# KiCad board mist.kicad_pcb
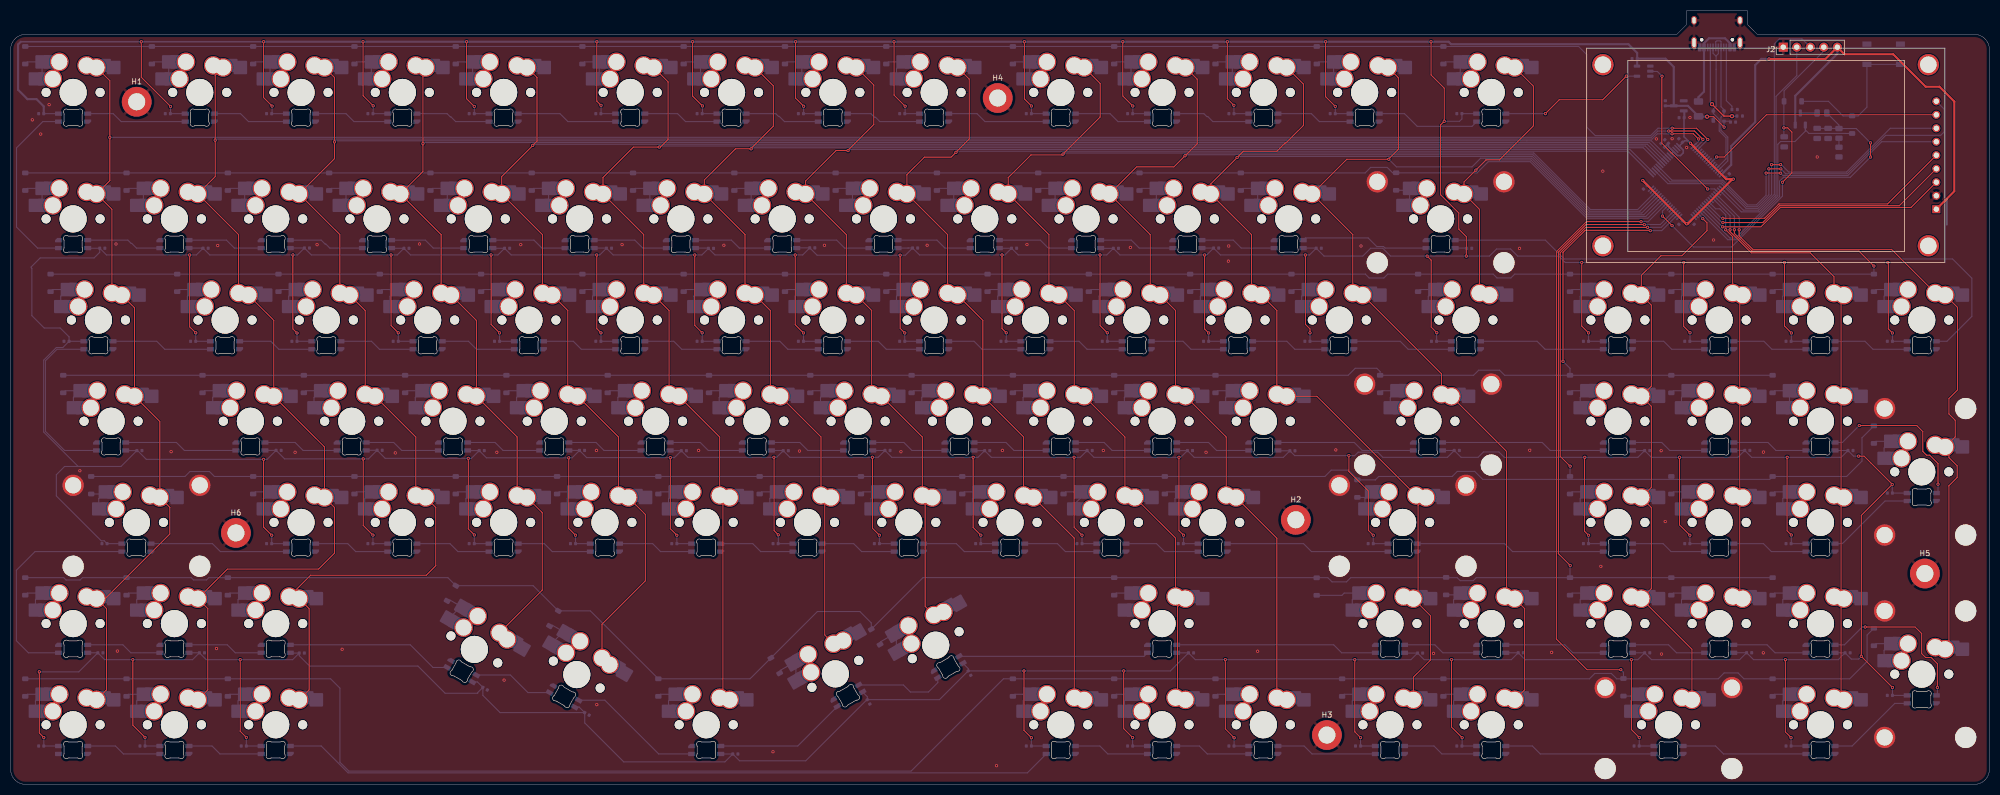
[diagram p0: board, top side]
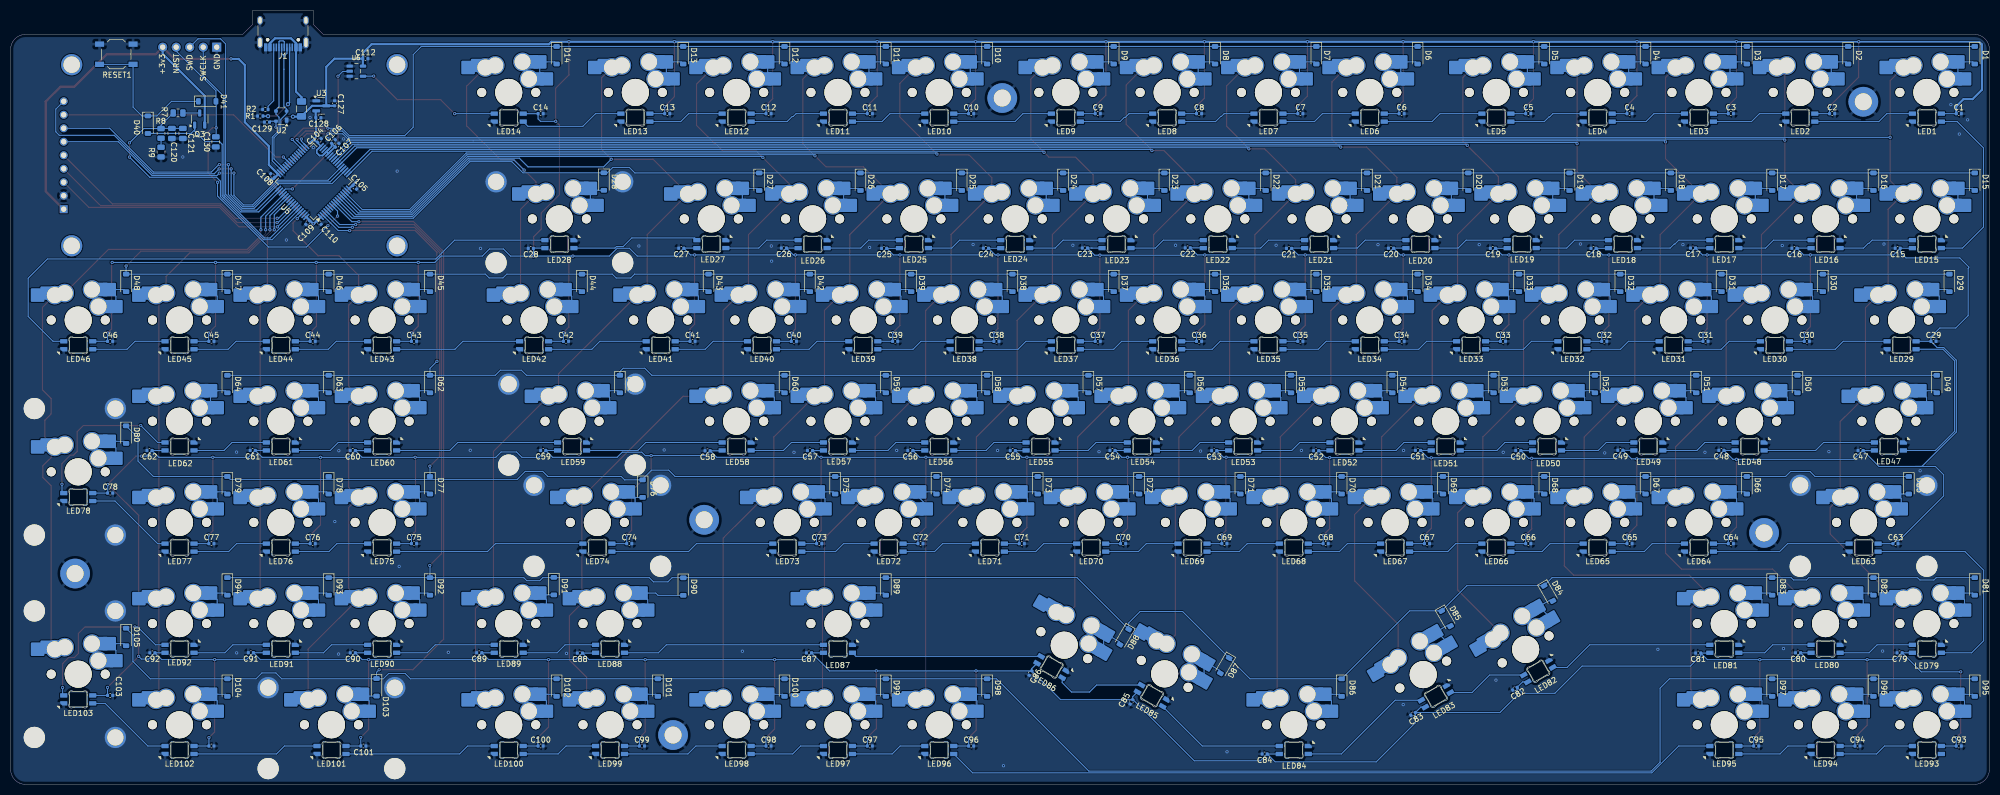
[diagram p1: board, bottom side, seen from below]

Outline 372.12 x 145.69 mm; copper layers: Top, Bottom. Coordinates in mm from the lower left corner of the outline.
Outline path: 0,138.39 0,2.82 0,2.68 0.01,2.53 0.03,2.39 0.06,2.25 0.09,2.12 0.13,1.98 0.17,1.85 0.22,1.72 0.28,1.6 0.34,1.48 0.41,1.36 0.48,1.24 0.56,1.13 0.64,1.03 0.73,0.92 0.83,0.83 0.92,0.73 1.03,0.64 1.13,0.56 1.24,0.48 1.36,0.41 1.48,0.34 1.6,0.28 1.72,0.22 1.85,0.17 1.98,0.13 2.12,0.09 2.25,0.06 2.39,0.03 2.53,0.01 2.68,0 2.82,0 369.3,0 369.45,0 369.59,0.01 369.73,0.03 369.87,0.06 370.01,0.09 370.14,0.13 370.27,0.17 370.4,0.22 370.53,0.28 370.65,0.34 370.77,0.41 370.88,0.48 370.99,0.56 371.1,0.64 371.2,0.73 371.3,0.83 371.39,0.92 371.48,1.03 371.56,1.13 371.64,1.24 371.72,1.36 371.78,1.48 371.85,1.6 371.9,1.72 371.95,1.85 372,1.98 372.04,2.12 372.07,2.25 372.09,2.39 372.11,2.53 372.12,2.68 372.12,2.82 372.12,138.39 372.12,138.53 372.11,138.68 372.09,138.82 372.07,138.96 372.04,139.09 372,139.23 371.95,139.36 371.9,139.49 371.85,139.61 371.78,139.73 371.72,139.85 371.64,139.97 371.56,140.08 371.48,140.18 371.39,140.29 371.3,140.38 371.2,140.48 371.1,140.57 370.99,140.65 370.88,140.73 370.77,140.8 370.65,140.87 370.53,140.93 370.4,140.99 370.27,141.04 370.14,141.08 370.01,141.12 369.87,141.15 369.73,141.18 369.59,141.2 369.45,141.21 369.3,141.21 328.49,141.21 326.61,143.09 326.61,145.69 315.2,145.69 315.2,143.09 313.32,141.21 2.82,141.21 2.68,141.21 2.53,141.2 2.39,141.18 2.25,141.15 2.12,141.12 1.98,141.08 1.85,141.04 1.72,140.99 1.6,140.93 1.48,140.87 1.36,140.8 1.24,140.73 1.13,140.65 1.03,140.57 0.92,140.48 0.83,140.38 0.73,140.29 0.64,140.18 0.56,140.08 0.48,139.97 0.41,139.85 0.34,139.73 0.28,139.61 0.22,139.49 0.17,139.36 0.13,139.23 0.09,139.09 0.06,138.96 0.03,138.82 0.01,138.68 0,138.53 0,138.39
Stack: Top 0.035mm / dielectric 1.51mm FR4 er 4.5 / Bottom 0.035mm

## Placement (name value [footprint] x y rotation side)
C1  0.1uF  [C_0402_1005Metric]  5.75 126.29 180 bottom
C2  0.1uF  [C_0402_1005Metric]  29.56 126.29 180 bottom
C3  0.1uF  [C_0402_1005Metric]  48.61 126.29 180 bottom
C4  0.1uF  [C_0402_1005Metric]  67.66 126.29 180 bottom
C5  0.1uF  [C_0402_1005Metric]  86.71 126.29 180 bottom
C6  0.1uF  [C_0402_1005Metric]  110.52 126.29 180 bottom
C7  0.1uF  [C_0402_1005Metric]  129.57 126.29 180 bottom
C8  0.1uF  [C_0402_1005Metric]  148.62 126.29 180 bottom
C9  0.1uF  [C_0402_1005Metric]  167.67 126.29 180 bottom
C10  0.1uF  [C_0402_1005Metric]  191.49 126.29 180 bottom
C11  0.1uF  [C_0402_1005Metric]  210.54 126.29 180 bottom
C12  0.1uF  [C_0402_1005Metric]  229.59 126.29 180 bottom
C13  0.1uF  [C_0402_1005Metric]  248.64 126.29 180 bottom
C14  0.1uF  [C_0402_1005Metric]  272.45 126.29 180 bottom
C15  0.1uF  [C_0402_1005Metric]  17.24 100.95 0 bottom
C16  0.1uF  [C_0402_1005Metric]  36.67 100.95 0 bottom
C17  0.1uF  [C_0402_1005Metric]  55.73 100.99 0 bottom
C18  0.1uF  [C_0402_1005Metric]  74.44 100.94 0 bottom
C19  0.1uF  [C_0402_1005Metric]  93.37 100.94 0 bottom
C20  0.1uF  [C_0402_1005Metric]  112.53 100.95 0 bottom
C21  0.1uF  [C_0402_1005Metric]  131.71 100.92 0 bottom
C22  0.1uF  [C_0402_1005Metric]  150.76 101.02 0 bottom
C23  0.1uF  [C_0402_1005Metric]  170.1 100.99 0 bottom
C24  0.1uF  [C_0402_1005Metric]  188.71 100.95 0 bottom
C25  0.1uF  [C_0402_1005Metric]  207.86 100.93 0 bottom
C26  0.1uF  [C_0402_1005Metric]  226.71 100.98 0 bottom
C27  0.1uF  [C_0402_1005Metric]  246.01 100.95 0 bottom
C28  0.1uF  [C_0402_1005Metric]  274.3 100.93 0 bottom
C29  0.1uF  [C_0402_1005Metric]  10.51 83.43 180 bottom
C30  0.1uF  [C_0402_1005Metric]  34.32 83.43 180 bottom
C31  0.1uF  [C_0402_1005Metric]  53.37 83.43 180 bottom
C32  0.1uF  [C_0402_1005Metric]  72.42 83.43 180 bottom
C33  0.1uF  [C_0402_1005Metric]  91.47 83.43 180 bottom
C34  0.1uF  [C_0402_1005Metric]  110.52 83.43 180 bottom
C35  0.1uF  [C_0402_1005Metric]  129.57 83.43 180 bottom
C36  0.1uF  [C_0402_1005Metric]  148.62 83.43 180 bottom
C37  0.1uF  [C_0402_1005Metric]  167.67 83.43 180 bottom
C38  0.1uF  [C_0402_1005Metric]  186.72 83.43 180 bottom
C39  0.1uF  [C_0402_1005Metric]  205.77 83.43 180 bottom
C40  0.1uF  [C_0402_1005Metric]  224.82 83.43 180 bottom
C41  0.1uF  [C_0402_1005Metric]  243.87 83.43 180 bottom
C42  0.1uF  [C_0402_1005Metric]  267.69 83.43 180 bottom
C43  0.1uF  [C_0402_1005Metric]  296.26 83.43 180 bottom
C44  0.1uF  [C_0402_1005Metric]  315.31 83.43 180 bottom
C45  0.1uF  [C_0402_1005Metric]  334.36 83.43 180 bottom
C46  0.1uF  [C_0402_1005Metric]  353.41 83.43 180 bottom
C47  0.1uF  [C_0402_1005Metric]  24.22 62.85 0 bottom
C48  0.1uF  [C_0402_1005Metric]  50.4 62.89 0 bottom
C49  0.1uF  [C_0402_1005Metric]  69.4 62.91 0 bottom
C50  0.1uF  [C_0402_1005Metric]  88.6 62.85 0 bottom
C51  0.1uF  [C_0402_1005Metric]  107.46 62.88 0 bottom
C52  0.1uF  [C_0402_1005Metric]  126.61 62.83 0 bottom
C53  0.1uF  [C_0402_1005Metric]  145.78 62.83 0 bottom
C54  0.1uF  [C_0402_1005Metric]  164.91 62.87 0 bottom
C55  0.1uF  [C_0402_1005Metric]  183.66 62.84 0 bottom
C56  0.1uF  [C_0402_1005Metric]  202.93 62.86 0 bottom
C57  0.1uF  [C_0402_1005Metric]  221.79 62.85 0 bottom
C58  0.1uF  [C_0402_1005Metric]  241.06 62.81 0 bottom
C59  0.1uF  [C_0402_1005Metric]  271.97 62.87 0 bottom
C60  0.1uF  [C_0402_1005Metric]  307.78 62.85 0 bottom
C61  0.1uF  [C_0402_1005Metric]  326.6 62.88 0 bottom
C62  0.1uF  [C_0402_1005Metric]  346.01 62.86 0 bottom
C63  0.1uF  [C_0402_1005Metric]  17.65 45.33 180 bottom
C64  0.1uF  [C_0402_1005Metric]  48.61 45.33 180 bottom
C65  0.1uF  [C_0402_1005Metric]  67.66 45.33 180 bottom
C66  0.1uF  [C_0402_1005Metric]  86.71 45.33 180 bottom
C67  0.1uF  [C_0402_1005Metric]  105.76 45.33 180 bottom
C68  0.1uF  [C_0402_1005Metric]  124.81 45.33 180 bottom
C69  0.1uF  [C_0402_1005Metric]  143.86 45.33 180 bottom
C70  0.1uF  [C_0402_1005Metric]  162.91 45.33 180 bottom
C71  0.1uF  [C_0402_1005Metric]  181.96 45.33 180 bottom
C72  0.1uF  [C_0402_1005Metric]  201.01 45.33 180 bottom
C73  0.1uF  [C_0402_1005Metric]  220.06 45.33 180 bottom
C74  0.1uF  [C_0402_1005Metric]  255.78 45.33 180 bottom
C75  0.1uF  [C_0402_1005Metric]  296.26 45.33 180 bottom
C76  0.1uF  [C_0402_1005Metric]  315.31 45.33 180 bottom
C77  0.1uF  [C_0402_1005Metric]  334.36 45.33 180 bottom
C78  0.1uF  [C_0402_1005Metric]  353.41 54.85 180 bottom
C79  0.1uF  [C_0402_1005Metric]  16.88 24.77 0 bottom
C80  0.1uF  [C_0402_1005Metric]  35.98 24.77 0 bottom
C81  0.1uF  [C_0402_1005Metric]  54.76 24.73 0 bottom
C82  0.1uF  [C_0402_1005Metric]  89.23 18.02 330 bottom
C83  0.1uF  [C_0402_1005Metric]  108.38 13.27 330 bottom
C84  0.1uF  [C_0402_1005Metric]  136.29 5.72 0 bottom
C85  0.1uF  [C_0402_1005Metric]  161.35 15.54 300 bottom
C86  0.1uF  [C_0402_1005Metric]  180.33 20.95 300 bottom
C87  0.1uF  [C_0402_1005Metric]  221.99 24.76 0 bottom
C88  0.1uF  [C_0402_1005Metric]  265.07 24.72 0 bottom
C89  0.1uF  [C_0402_1005Metric]  284 24.78 0 bottom
C90  0.1uF  [C_0402_1005Metric]  307.78 24.77 0 bottom
C91  0.1uF  [C_0402_1005Metric]  326.95 24.79 0 bottom
C92  0.1uF  [C_0402_1005Metric]  345.47 24.77 0 bottom
C93  0.1uF  [C_0402_1005Metric]  5.75 7.23 180 bottom
C94  0.1uF  [C_0402_1005Metric]  24.8 7.23 180 bottom
C95  0.1uF  [C_0402_1005Metric]  43.85 7.23 180 bottom
C96  0.1uF  [C_0402_1005Metric]  191.49 7.23 180 bottom
C97  0.1uF  [C_0402_1005Metric]  210.54 7.23 180 bottom
C98  0.1uF  [C_0402_1005Metric]  229.59 7.23 180 bottom
C99  0.1uF  [C_0402_1005Metric]  253.4 7.23 180 bottom
C100  0.1uF  [C_0402_1005Metric]  272.45 7.23 180 bottom
C101  0.1uF  [C_0402_1005Metric]  305.79 7.23 180 bottom
C102  0.1uF  [C_0402_1005Metric]  334.36 7.23 180 bottom
C103  0.1uF  [C_0402_1005Metric]  353.41 16.75 180 bottom
C104  100nF  [C_0402_1005Metric]  314.06 121.24 135 bottom
C105  100nF  [C_0402_1005Metric]  307.41 112.43 225 bottom
C106  100nF  [C_0402_1005Metric]  311.42 121.04 135 bottom
C107  100nF  [C_0402_1005Metric]  310.72 120.34 135 bottom
C108  100nF  [C_0402_1005Metric]  322.88 114.63 45 bottom
C109  100nF  [C_0402_1005Metric]  316.26 105.79 315 bottom
C110  100nF  [C_0402_1005Metric]  314.08 105.78 225 bottom
C112  0.1uF  [C_0402_1005Metric]  305.41 136.64 180 bottom
C120  100n  [C_0805_2012Metric]  341.8 122.57 90 bottom
C121  100n  [C_0805_2012Metric]  339.74 122.57 90 bottom
C127  1uF  [C_0402_1005Metric]  311.19 128.24 90 bottom
C128  1uF  [C_0402_1005Metric]  314.25 125.52 180 bottom
C129  100nF  [C_0402_1005Metric]  323.92 124.7 0 bottom
C130  100n  [C_0805_2012Metric]  333.54 120.98 90 bottom
CH1  KS33_SW_HS  [KS-33_MX-Hotswap-1U]  11.75 130.29 0 bottom
CH2  KS33_SW_HS  [KS-33_MX-Hotswap-1U]  35.56 130.29 0 bottom
CH3  KS33_SW_HS  [KS-33_MX-Hotswap-1U]  54.61 130.29 0 bottom
CH4  KS33_SW_HS  [KS-33_MX-Hotswap-1U]  73.66 130.29 0 bottom
CH5  KS33_SW_HS  [KS-33_MX-Hotswap-1U]  92.71 130.29 0 bottom
CH6  KS33_SW_HS  [KS-33_MX-Hotswap-1U]  116.52 130.29 0 bottom
CH7  KS33_SW_HS  [KS-33_MX-Hotswap-1U]  135.57 130.29 0 bottom
CH8  KS33_SW_HS  [KS-33_MX-Hotswap-1U]  154.62 130.29 0 bottom
CH9  KS33_SW_HS  [KS-33_MX-Hotswap-1U]  173.67 130.29 0 bottom
CH10  KS33_SW_HS  [KS-33_MX-Hotswap-1U]  197.49 130.29 0 bottom
CH11  KS33_SW_HS  [KS-33_MX-Hotswap-1U]  216.54 130.29 0 bottom
CH12  KS33_SW_HS  [KS-33_MX-Hotswap-1U]  235.59 130.29 0 bottom
CH13  KS33_SW_HS  [KS-33_MX-Hotswap-1U]  254.64 130.29 0 bottom
CH14  KS33_SW_HS  [KS-33_MX-Hotswap-1U]  278.45 130.29 0 bottom
CH15  KS33_SW_HS  [KS-33_MX-Hotswap-1U]  11.75 106.48 0 bottom
CH16  KS33_SW_HS  [KS-33_MX-Hotswap-1U]  30.8 106.48 0 bottom
CH17  KS33_SW_HS  [KS-33_MX-Hotswap-1U]  49.85 106.48 0 bottom
CH18  KS33_SW_HS  [KS-33_MX-Hotswap-1U]  68.9 106.48 0 bottom
CH19  KS33_SW_HS  [KS-33_MX-Hotswap-1U]  87.95 106.48 0 bottom
CH20  KS33_SW_HS  [KS-33_MX-Hotswap-1U]  107 106.48 0 bottom
CH21  KS33_SW_HS  [KS-33_MX-Hotswap-1U]  126.05 106.48 0 bottom
CH22  KS33_SW_HS  [KS-33_MX-Hotswap-1U]  145.1 106.48 0 bottom
CH23  KS33_SW_HS  [KS-33_MX-Hotswap-1U]  164.15 106.48 0 bottom
CH24  KS33_SW_HS  [KS-33_MX-Hotswap-1U]  183.2 106.48 0 bottom
CH25  KS33_SW_HS  [KS-33_MX-Hotswap-1U]  202.25 106.48 0 bottom
CH26  KS33_SW_HS  [KS-33_MX-Hotswap-1U]  221.3 106.48 0 bottom
CH27  KS33_SW_HS  [KS-33_MX-Hotswap-1U]  240.35 106.48 0 bottom
CH28  KS33_SW_HS  [KS-33_MX-Hotswap-1U]  268.92 106.48 0 bottom
CH29  KS33_SW_HS  [KS-33_MX-Hotswap-1U]  16.51 87.43 0 bottom
CH30  KS33_SW_HS  [KS-33_MX-Hotswap-1U]  40.32 87.43 0 bottom
CH31  KS33_SW_HS  [KS-33_MX-Hotswap-1U]  59.37 87.43 0 bottom
CH32  KS33_SW_HS  [KS-33_MX-Hotswap-1U]  78.42 87.43 0 bottom
CH33  KS33_SW_HS  [KS-33_MX-Hotswap-1U]  97.47 87.43 0 bottom
CH34  KS33_SW_HS  [KS-33_MX-Hotswap-1U]  116.52 87.43 0 bottom
CH35  KS33_SW_HS  [KS-33_MX-Hotswap-1U]  135.57 87.43 0 bottom
CH36  KS33_SW_HS  [KS-33_MX-Hotswap-1U]  154.62 87.43 0 bottom
CH37  KS33_SW_HS  [KS-33_MX-Hotswap-1U]  173.67 87.43 0 bottom
CH38  KS33_SW_HS  [KS-33_MX-Hotswap-1U]  192.72 87.43 0 bottom
CH39  KS33_SW_HS  [KS-33_MX-Hotswap-1U]  211.77 87.43 0 bottom
CH40  KS33_SW_HS  [KS-33_MX-Hotswap-1U]  230.82 87.43 0 bottom
CH41  KS33_SW_HS  [KS-33_MX-Hotswap-1U]  249.87 87.43 0 bottom
CH42  KS33_SW_HS  [KS-33_MX-Hotswap-1U]  273.69 87.43 0 bottom
CH43  KS33_SW_HS  [KS-33_MX-Hotswap-1U]  302.26 87.43 0 bottom
CH44  KS33_SW_HS  [KS-33_MX-Hotswap-1U]  321.31 87.43 0 bottom
CH45  KS33_SW_HS  [KS-33_MX-Hotswap-1U]  340.36 87.43 0 bottom
CH46  KS33_SW_HS  [KS-33_MX-Hotswap-1U]  359.41 87.43 0 bottom
CH47  KS33_SW_HS  [KS-33_MX-Hotswap-1U]  18.89 68.38 0 bottom
CH48  KS33_SW_HS  [KS-33_MX-Hotswap-1U]  45.09 68.38 0 bottom
CH49  KS33_SW_HS  [KS-33_MX-Hotswap-1U]  64.14 68.38 0 bottom
CH50  KS33_SW_HS  [KS-33_MX-Hotswap-1U]  83.19 68.38 0 bottom
CH51  KS33_SW_HS  [KS-33_MX-Hotswap-1U]  102.24 68.38 0 bottom
CH52  KS33_SW_HS  [KS-33_MX-Hotswap-1U]  121.29 68.38 0 bottom
CH53  KS33_SW_HS  [KS-33_MX-Hotswap-1U]  140.34 68.38 0 bottom
CH54  KS33_SW_HS  [KS-33_MX-Hotswap-1U]  159.39 68.38 0 bottom
CH55  KS33_SW_HS  [KS-33_MX-Hotswap-1U]  178.44 68.38 0 bottom
CH56  KS33_SW_HS  [KS-33_MX-Hotswap-1U]  197.49 68.38 0 bottom
CH57  KS33_SW_HS  [KS-33_MX-Hotswap-1U]  216.54 68.38 0 bottom
CH58  KS33_SW_HS  [KS-33_MX-Hotswap-1U]  235.59 68.38 0 bottom
CH59  KS33_SW_HS  [KS-33_MX-Hotswap-1U]  266.54 68.38 0 bottom
CH60  KS33_SW_HS  [KS-33_MX-Hotswap-1U]  302.26 68.38 0 bottom
CH61  KS33_SW_HS  [KS-33_MX-Hotswap-1U]  321.31 68.38 0 bottom
CH62  KS33_SW_HS  [KS-33_MX-Hotswap-1U]  340.36 68.38 0 bottom
CH63  KS33_SW_HS  [KS-33_MX-Hotswap-1U]  23.65 49.33 0 bottom
CH64  KS33_SW_HS  [KS-33_MX-Hotswap-1U]  54.61 49.33 0 bottom
CH65  KS33_SW_HS  [KS-33_MX-Hotswap-1U]  73.66 49.33 0 bottom
CH66  KS33_SW_HS  [KS-33_MX-Hotswap-1U]  92.71 49.33 0 bottom
CH67  KS33_SW_HS  [KS-33_MX-Hotswap-1U]  111.76 49.33 0 bottom
CH68  KS33_SW_HS  [KS-33_MX-Hotswap-1U]  130.81 49.33 0 bottom
CH69  KS33_SW_HS  [KS-33_MX-Hotswap-1U]  149.86 49.33 0 bottom
CH70  KS33_SW_HS  [KS-33_MX-Hotswap-1U]  168.91 49.33 0 bottom
CH71  KS33_SW_HS  [KS-33_MX-Hotswap-1U]  187.96 49.33 0 bottom
CH72  KS33_SW_HS  [KS-33_MX-Hotswap-1U]  207.01 49.33 0 bottom
CH73  KS33_SW_HS  [KS-33_MX-Hotswap-1U]  226.06 49.33 0 bottom
CH74  KS33_SW_HS  [KS-33_MX-Hotswap-1U]  261.78 49.33 0 bottom
CH75  KS33_SW_HS  [KS-33_MX-Hotswap-1U]  302.26 49.33 0 bottom
CH76  KS33_SW_HS  [KS-33_MX-Hotswap-1U]  321.31 49.33 0 bottom
CH77  KS33_SW_HS  [KS-33_MX-Hotswap-1U]  340.36 49.33 0 bottom
CH78  KS33_SW_HS  [KS-33_MX-Hotswap-1U]  359.41 58.85 0 bottom
CH79  KS33_SW_HS  [KS-33_MX-Hotswap-1U]  11.75 30.28 0 bottom
CH80  KS33_SW_HS  [KS-33_MX-Hotswap-1U]  30.8 30.28 0 bottom
CH81  KS33_SW_HS  [KS-33_MX-Hotswap-1U]  49.85 30.28 0 bottom
CH82  KS33_SW_HS  [KS-33_MX-Hotswap-1U]  87.21 25.42 330 bottom
CH83  KS33_SW_HS  [KS-33_MX-Hotswap-1U]  106.47 20.68 330 bottom
CH84  KS33_SW_HS  [KS-33_MX-Hotswap-1U]  130.81 11.23 0 bottom
CH85  KS33_SW_HS  [KS-33_MX-Hotswap-1U]  155.09 20.81 30 bottom
CH86  KS33_SW_HS  [KS-33_MX-Hotswap-1U]  173.97 26.21 30 bottom
CH87  KS33_SW_HS  [KS-33_MX-Hotswap-1U]  216.54 30.28 0 bottom
CH88  KS33_SW_HS  [KS-33_MX-Hotswap-1U]  259.4 30.28 0 bottom
CH89  KS33_SW_HS  [KS-33_MX-Hotswap-1U]  278.45 30.28 0 bottom
CH90  KS33_SW_HS  [KS-33_MX-Hotswap-1U]  302.26 30.28 0 bottom
CH91  KS33_SW_HS  [KS-33_MX-Hotswap-1U]  321.31 30.28 0 bottom
CH92  KS33_SW_HS  [KS-33_MX-Hotswap-1U]  340.36 30.28 0 bottom
CH93  KS33_SW_HS  [KS-33_MX-Hotswap-1U]  11.75 11.23 0 bottom
CH94  KS33_SW_HS  [KS-33_MX-Hotswap-1U]  30.8 11.23 0 bottom
CH95  KS33_SW_HS  [KS-33_MX-Hotswap-1U]  49.85 11.23 0 bottom
CH96  KS33_SW_HS  [KS-33_MX-Hotswap-1U]  197.49 11.23 0 bottom
CH97  KS33_SW_HS  [KS-33_MX-Hotswap-1U]  216.54 11.23 0 bottom
CH98  KS33_SW_HS  [KS-33_MX-Hotswap-1U]  235.59 11.23 0 bottom
CH99  KS33_SW_HS  [KS-33_MX-Hotswap-1U]  259.4 11.23 0 bottom
CH100  KS33_SW_HS  [KS-33_MX-Hotswap-1U]  278.45 11.23 0 bottom
CH101  KS33_SW_HS  [KS-33_MX-Hotswap-1U]  311.79 11.23 0 bottom
CH102  KS33_SW_HS  [KS-33_MX-Hotswap-1U]  340.36 11.23 0 bottom
CH103  KS33_SW_HS  [KS-33_MX-Hotswap-1U]  359.41 20.75 0 bottom
D1  D  [D_SOD-123]  2.75 137.29 270 bottom
D2  D  [D_SOD-123]  26.56 137.29 270 bottom
D3  D  [D_SOD-123]  45.61 137.29 270 bottom
D4  D  [D_SOD-123]  64.66 137.29 270 bottom
D5  D  [D_SOD-123]  83.71 137.29 270 bottom
D6  D  [D_SOD-123]  107.52 137.29 270 bottom
D7  D  [D_SOD-123]  126.57 137.29 270 bottom
D8  D  [D_SOD-123]  145.62 137.29 270 bottom
D9  D  [D_SOD-123]  164.67 137.29 270 bottom
D10  D  [D_SOD-123]  188.49 137.29 270 bottom
D11  D  [D_SOD-123]  207.54 137.29 270 bottom
D12  D  [D_SOD-123]  226.59 137.29 270 bottom
D13  D  [D_SOD-123]  245.64 137.29 270 bottom
D14  D  [D_SOD-123]  269.45 137.29 270 bottom
D15  D  [D_SOD-123]  2.75 113.48 270 bottom
D16  D  [D_SOD-123]  21.8 113.48 270 bottom
D17  D  [D_SOD-123]  40.85 113.48 270 bottom
D18  D  [D_SOD-123]  59.9 113.48 270 bottom
D19  D  [D_SOD-123]  78.95 113.48 270 bottom
D20  D  [D_SOD-123]  98 113.48 270 bottom
D21  D  [D_SOD-123]  117.05 113.48 270 bottom
D22  D  [D_SOD-123]  136.1 113.48 270 bottom
D23  D  [D_SOD-123]  155.15 113.48 270 bottom
D24  D  [D_SOD-123]  174.2 113.48 270 bottom
D25  D  [D_SOD-123]  193.25 113.48 270 bottom
D26  D  [D_SOD-123]  212.3 113.48 270 bottom
D27  D  [D_SOD-123]  231.35 113.48 270 bottom
D28  D  [D_SOD-123]  260.56 113.51 270 bottom
D29  D  [D_SOD-123]  7.51 94.43 270 bottom
D30  D  [D_SOD-123]  31.32 94.43 270 bottom
D31  D  [D_SOD-123]  50.37 94.43 270 bottom
D32  D  [D_SOD-123]  69.42 94.43 270 bottom
D33  D  [D_SOD-123]  88.47 94.43 270 bottom
D34  D  [D_SOD-123]  107.52 94.43 270 bottom
D35  D  [D_SOD-123]  126.57 94.43 270 bottom
D36  D  [D_SOD-123]  145.62 94.43 270 bottom
D37  D  [D_SOD-123]  164.67 94.43 270 bottom
D38  D  [D_SOD-123]  183.72 94.43 270 bottom
D39  D  [D_SOD-123]  202.77 94.43 270 bottom
D40  1N4148  [D_SOD-123]  346.31 124.21 270 bottom
D41  1N4148  [D_SOD-123]  335.17 128.61 180 bottom
D42  D  [D_SOD-123]  221.82 94.43 270 bottom
D43  D  [D_SOD-123]  240.87 94.43 270 bottom
D44  D  [D_SOD-123]  264.69 94.43 270 bottom
D45  D  [D_SOD-123]  293.26 94.43 270 bottom
D46  D  [D_SOD-123]  312.31 94.43 270 bottom
D47  D  [D_SOD-123]  331.36 94.43 270 bottom
D48  D  [D_SOD-123]  350.41 94.43 270 bottom
D49  D  [D_SOD-123]  9.89 75.38 270 bottom
D50  D  [D_SOD-123]  36.09 75.38 270 bottom
D51  D  [D_SOD-123]  55.14 75.38 270 bottom
D52  D  [D_SOD-123]  74.19 75.38 270 bottom
D53  D  [D_SOD-123]  93.24 75.38 270 bottom
D54  D  [D_SOD-123]  112.29 75.38 270 bottom
D55  D  [D_SOD-123]  131.34 75.38 270 bottom
D56  D  [D_SOD-123]  150.39 75.38 270 bottom
D57  D  [D_SOD-123]  169.44 75.38 270 bottom
D58  D  [D_SOD-123]  188.49 75.38 270 bottom
D59  D  [D_SOD-123]  207.54 75.38 270 bottom
D60  D  [D_SOD-123]  226.59 75.38 270 bottom
D61  D  [D_SOD-123]  257.54 75.38 270 bottom
D62  D  [D_SOD-123]  293.26 75.38 270 bottom
D63  D  [D_SOD-123]  312.31 75.38 270 bottom
D64  D  [D_SOD-123]  331.36 75.38 270 bottom
D65  D  [D_SOD-123]  15.15 56.33 270 bottom
D66  D  [D_SOD-123]  45.61 56.33 270 bottom
D67  D  [D_SOD-123]  64.66 56.33 270 bottom
D68  D  [D_SOD-123]  83.71 56.33 270 bottom
D69  D  [D_SOD-123]  102.76 56.33 270 bottom
D70  D  [D_SOD-123]  121.81 56.33 270 bottom
D71  D  [D_SOD-123]  140.86 56.33 270 bottom
D72  D  [D_SOD-123]  159.91 56.33 270 bottom
D73  D  [D_SOD-123]  178.96 56.33 270 bottom
D74  D  [D_SOD-123]  198.01 56.33 270 bottom
D75  D  [D_SOD-123]  217.06 56.33 270 bottom
D76  D  [D_SOD-123]  253.27 55.69 270 bottom
D77  D  [D_SOD-123]  293.26 56.33 270 bottom
D78  D  [D_SOD-123]  312.31 56.33 270 bottom
D79  D  [D_SOD-123]  331.36 56.33 270 bottom
D80  D  [D_SOD-123]  350.41 65.85 270 bottom
D81  D  [D_SOD-123]  2.75 37.28 270 bottom
D82  D  [D_SOD-123]  21.8 37.28 270 bottom
D83  D  [D_SOD-123]  40.85 37.28 270 bottom
D84  D  [D_SOD-123]  82.91 35.98 240 bottom
D85  D  [D_SOD-123]  102.17 31.24 240 bottom
D86  D  [D_SOD-123]  121.81 18.23 270 bottom
D87  D  [D_SOD-123]  143.8 22.37 300 bottom
D88  D  [D_SOD-123]  162.68 27.77 300 bottom
D89  D  [D_SOD-123]  207.54 37.28 270 bottom
D90  D  [D_SOD-123]  245.62 37.25 270 bottom
D91  D  [D_SOD-123]  269.96 37.33 270 bottom
D92  D  [D_SOD-123]  293.26 37.28 270 bottom
D93  D  [D_SOD-123]  312.31 37.28 270 bottom
D94  D  [D_SOD-123]  331.36 37.28 270 bottom
D95  D  [D_SOD-123]  2.75 18.23 270 bottom
D96  D  [D_SOD-123]  21.8 18.23 270 bottom
D97  D  [D_SOD-123]  40.85 18.23 270 bottom
D98  D  [D_SOD-123]  188.49 18.23 270 bottom
D99  D  [D_SOD-123]  207.54 18.23 270 bottom
D100  D  [D_SOD-123]  226.59 18.23 270 bottom
D101  D  [D_SOD-123]  250.4 18.23 270 bottom
D102  D  [D_SOD-123]  269.45 18.23 270 bottom
D103  D  [D_SOD-123]  303.31 18.28 270 bottom
D104  D  [D_SOD-123]  331.36 18.23 270 bottom
D105  D  [D_SOD-123]  350.41 27.75 270 bottom
F1  500mA  [Fuse_1206_3216Metric]  317.42 127.18 270 bottom
H1  MountingHole_Pad  [MountingHole_3.2mm_M3_DIN965_Pad]  23.71 128.53 0 top
H2  MountingHole_Pad  [MountingHole_3.2mm_M3_DIN965_Pad]  241.7 49.82 0 top
H3  MountingHole_Pad  [MountingHole_3.2mm_M3_DIN965_Pad]  247.55 9.29 0 top
H4  MountingHole_Pad  [MountingHole_3.2mm_M3_DIN965_Pad]  185.64 129.23 0 top
H5  MountingHole_Pad  [MountingHole_3.2mm_M3_DIN965_Pad]  360 39.7 0 top
H6  MountingHole_Pad  [MountingHole_3.2mm_M3_DIN965_Pad]  42.37 47.35 0 top
J1  USB_C_Receptacle_USB2.0  [USB_C_Receptacle_HRO_TYPE-C-31-M-12]  320.91 142.81 0 bottom
J2  Conn_01x05  [PinHeader_1x05_P2.54mm_Vertical]  333.37 138.81 90 top
LED1  choc_SK6812MINI-E  [LED_choc_6028R]  11.75 125.54 0 bottom
LED2  choc_SK6812MINI-E  [LED_choc_6028R]  35.56 125.54 0 bottom
LED3  choc_SK6812MINI-E  [LED_choc_6028R]  54.61 125.54 0 bottom
LED4  choc_SK6812MINI-E  [LED_choc_6028R]  73.66 125.54 0 bottom
LED5  choc_SK6812MINI-E  [LED_choc_6028R]  92.71 125.54 0 bottom
LED6  choc_SK6812MINI-E  [LED_choc_6028R]  116.52 125.54 0 bottom
LED7  choc_SK6812MINI-E  [LED_choc_6028R]  135.57 125.54 0 bottom
LED8  choc_SK6812MINI-E  [LED_choc_6028R]  154.62 125.54 0 bottom
LED9  choc_SK6812MINI-E  [LED_choc_6028R]  173.67 125.54 0 bottom
LED10  choc_SK6812MINI-E  [LED_choc_6028R]  197.49 125.54 0 bottom
LED11  choc_SK6812MINI-E  [LED_choc_6028R]  216.54 125.54 0 bottom
LED12  choc_SK6812MINI-E  [LED_choc_6028R]  235.59 125.54 0 bottom
LED13  choc_SK6812MINI-E  [LED_choc_6028R]  254.64 125.54 0 bottom
LED14  choc_SK6812MINI-E  [LED_choc_6028R]  278.45 125.54 0 bottom
LED15  choc_SK6812MINI-E  [LED_choc_6028R]  11.75 101.73 180 bottom
LED16  choc_SK6812MINI-E  [LED_choc_6028R]  30.8 101.73 180 bottom
LED17  choc_SK6812MINI-E  [LED_choc_6028R]  49.85 101.73 180 bottom
LED18  choc_SK6812MINI-E  [LED_choc_6028R]  68.9 101.73 180 bottom
LED19  choc_SK6812MINI-E  [LED_choc_6028R]  87.95 101.73 180 bottom
LED20  choc_SK6812MINI-E  [LED_choc_6028R]  107 101.73 180 bottom
LED21  choc_SK6812MINI-E  [LED_choc_6028R]  126.05 101.73 180 bottom
LED22  choc_SK6812MINI-E  [LED_choc_6028R]  145.1 101.73 180 bottom
LED23  choc_SK6812MINI-E  [LED_choc_6028R]  164.15 101.73 180 bottom
LED24  choc_SK6812MINI-E  [LED_choc_6028R]  183.2 101.73 180 bottom
LED25  choc_SK6812MINI-E  [LED_choc_6028R]  202.25 101.73 180 bottom
LED26  choc_SK6812MINI-E  [LED_choc_6028R]  221.3 101.73 180 bottom
LED27  choc_SK6812MINI-E  [LED_choc_6028R]  240.35 101.73 180 bottom
LED28  choc_SK6812MINI-E  [LED_choc_6028R]  268.92 101.73 180 bottom
LED29  choc_SK6812MINI-E  [LED_choc_6028R]  16.51 82.68 0 bottom
LED30  choc_SK6812MINI-E  [LED_choc_6028R]  40.32 82.68 0 bottom
LED31  choc_SK6812MINI-E  [LED_choc_6028R]  59.37 82.68 0 bottom
LED32  choc_SK6812MINI-E  [LED_choc_6028R]  78.42 82.68 0 bottom
LED33  choc_SK6812MINI-E  [LED_choc_6028R]  97.47 82.68 0 bottom
LED34  choc_SK6812MINI-E  [LED_choc_6028R]  116.52 82.68 0 bottom
LED35  choc_SK6812MINI-E  [LED_choc_6028R]  135.57 82.68 0 bottom
LED36  choc_SK6812MINI-E  [LED_choc_6028R]  154.62 82.68 0 bottom
LED37  choc_SK6812MINI-E  [LED_choc_6028R]  173.67 82.68 0 bottom
LED38  choc_SK6812MINI-E  [LED_choc_6028R]  192.72 82.68 0 bottom
LED39  choc_SK6812MINI-E  [LED_choc_6028R]  211.77 82.68 0 bottom
LED40  choc_SK6812MINI-E  [LED_choc_6028R]  230.82 82.68 0 bottom
LED41  choc_SK6812MINI-E  [LED_choc_6028R]  249.87 82.68 0 bottom
LED42  choc_SK6812MINI-E  [LED_choc_6028R]  273.69 82.68 0 bottom
LED43  choc_SK6812MINI-E  [LED_choc_6028R]  302.26 82.68 0 bottom
LED44  choc_SK6812MINI-E  [LED_choc_6028R]  321.31 82.68 0 bottom
LED45  choc_SK6812MINI-E  [LED_choc_6028R]  340.36 82.68 0 bottom
LED46  choc_SK6812MINI-E  [LED_choc_6028R]  359.41 82.68 0 bottom
LED47  choc_SK6812MINI-E  [LED_choc_6028R]  18.89 63.63 180 bottom
LED48  choc_SK6812MINI-E  [LED_choc_6028R]  45.09 63.63 180 bottom
LED49  choc_SK6812MINI-E  [LED_choc_6028R]  64.14 63.63 180 bottom
LED50  choc_SK6812MINI-E  [LED_choc_6028R]  83.19 63.63 180 bottom
LED51  choc_SK6812MINI-E  [LED_choc_6028R]  102.24 63.63 180 bottom
LED52  choc_SK6812MINI-E  [LED_choc_6028R]  121.29 63.63 180 bottom
LED53  choc_SK6812MINI-E  [LED_choc_6028R]  140.34 63.63 180 bottom
LED54  choc_SK6812MINI-E  [LED_choc_6028R]  159.39 63.63 180 bottom
LED55  choc_SK6812MINI-E  [LED_choc_6028R]  178.44 63.63 180 bottom
LED56  choc_SK6812MINI-E  [LED_choc_6028R]  197.49 63.63 180 bottom
LED57  choc_SK6812MINI-E  [LED_choc_6028R]  216.54 63.63 180 bottom
LED58  choc_SK6812MINI-E  [LED_choc_6028R]  235.59 63.63 180 bottom
LED59  choc_SK6812MINI-E  [LED_choc_6028R]  266.54 63.63 180 bottom
LED60  choc_SK6812MINI-E  [LED_choc_6028R]  302.26 63.63 180 bottom
LED61  choc_SK6812MINI-E  [LED_choc_6028R]  321.31 63.63 180 bottom
LED62  choc_SK6812MINI-E  [LED_choc_6028R]  340.36 63.63 180 bottom
LED63  choc_SK6812MINI-E  [LED_choc_6028R]  23.65 44.58 0 bottom
LED64  choc_SK6812MINI-E  [LED_choc_6028R]  54.61 44.58 0 bottom
LED65  choc_SK6812MINI-E  [LED_choc_6028R]  73.66 44.58 0 bottom
LED66  choc_SK6812MINI-E  [LED_choc_6028R]  92.71 44.58 0 bottom
LED67  choc_SK6812MINI-E  [LED_choc_6028R]  111.76 44.58 0 bottom
LED68  choc_SK6812MINI-E  [LED_choc_6028R]  130.81 44.58 0 bottom
LED69  choc_SK6812MINI-E  [LED_choc_6028R]  149.86 44.58 0 bottom
LED70  choc_SK6812MINI-E  [LED_choc_6028R]  168.91 44.58 0 bottom
LED71  choc_SK6812MINI-E  [LED_choc_6028R]  187.96 44.58 0 bottom
LED72  choc_SK6812MINI-E  [LED_choc_6028R]  207.01 44.58 0 bottom
LED73  choc_SK6812MINI-E  [LED_choc_6028R]  226.06 44.58 0 bottom
LED74  choc_SK6812MINI-E  [LED_choc_6028R]  261.78 44.58 0 bottom
LED75  choc_SK6812MINI-E  [LED_choc_6028R]  302.26 44.58 0 bottom
LED76  choc_SK6812MINI-E  [LED_choc_6028R]  321.31 44.58 0 bottom
LED77  choc_SK6812MINI-E  [LED_choc_6028R]  340.36 44.58 0 bottom
LED78  choc_SK6812MINI-E  [LED_choc_6028R]  359.41 54.1 0 bottom
LED79  choc_SK6812MINI-E  [LED_choc_6028R]  11.75 25.53 180 bottom
LED80  choc_SK6812MINI-E  [LED_choc_6028R]  30.8 25.53 180 bottom
LED81  choc_SK6812MINI-E  [LED_choc_6028R]  49.85 25.53 180 bottom
LED82  choc_SK6812MINI-E  [LED_choc_6028R]  84.83 21.3 150 bottom
LED83  choc_SK6812MINI-E  [LED_choc_6028R]  104.09 16.56 150 bottom